# Altium PCB relay_matrix.PcbDoc (part 5 of 9)
Units mm, origin at the board's own origin, x right, y up, seen from the top; angles counter-clockwise.
Board outline 330 x 220 mm, 2 copper layers (Top Layer, Bottom Layer); 498 components, 345 nets, 2134 pads, 717 vias.
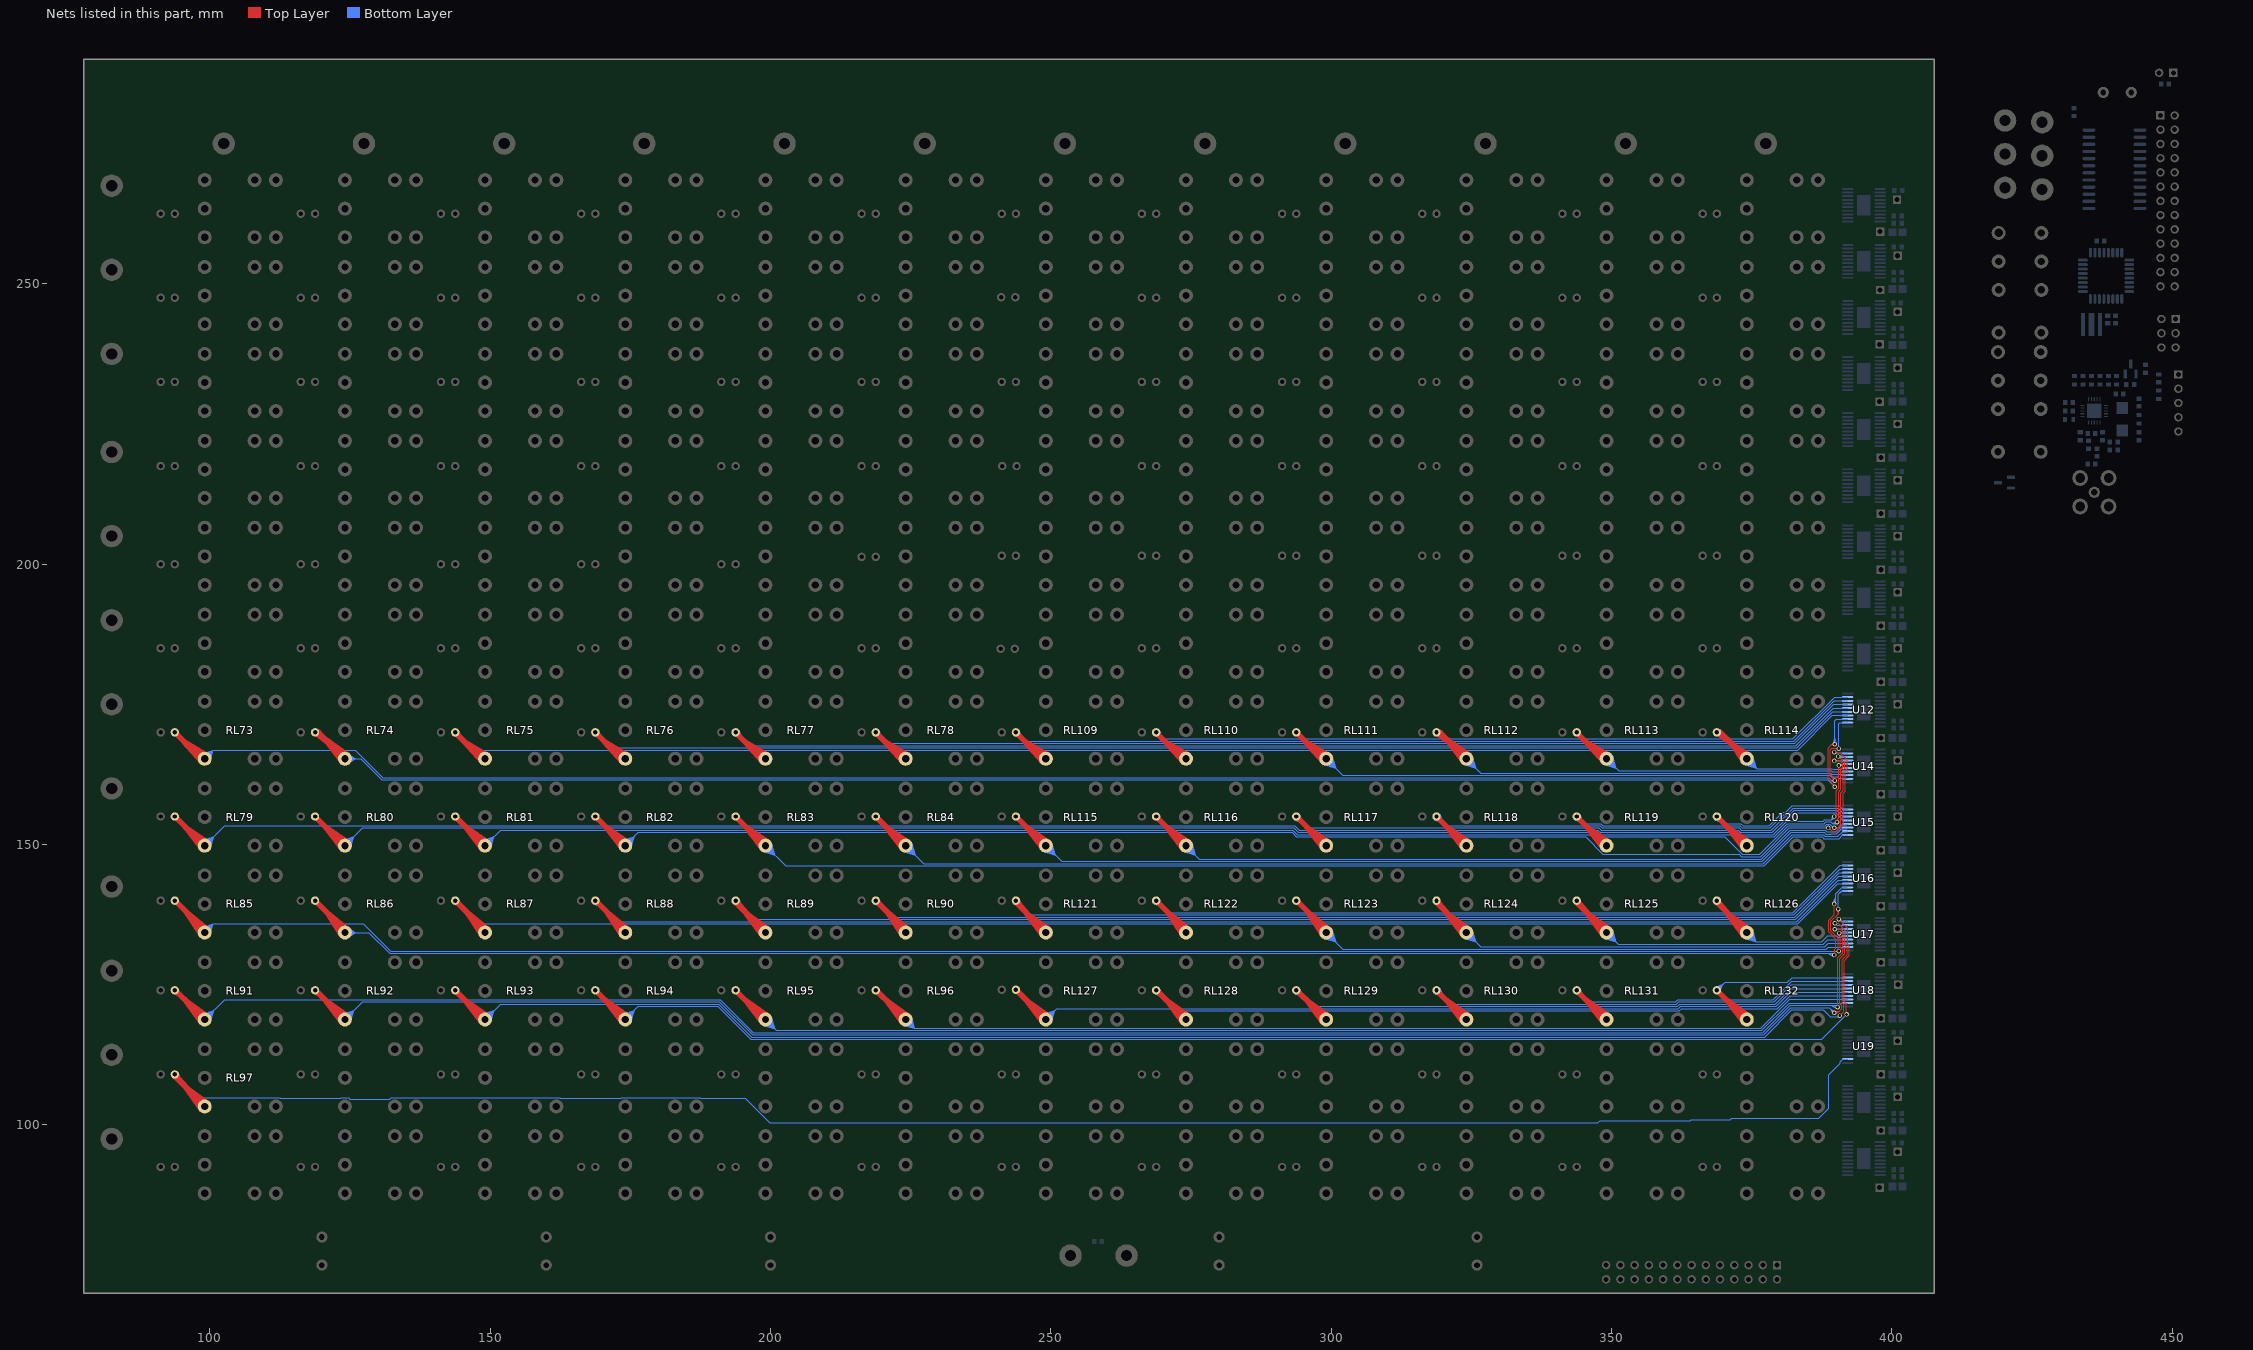
[diagram p5: the nets of this part, all layers, seen from the top]

## Via types
v1: diameter 0.8, hole 0.5, Top Layer to Bottom Layer, 477 vias
v2: diameter 0.8, hole 0.5, Top Layer to Bottom Layer, tented both sides, 122 vias
v3: diameter 0.6, hole 0.3, Top Layer to Bottom Layer, 112 vias
v4: diameter 7, hole 5, Top Layer to Bottom Layer, 6 vias

## Nets (pads, with @x,y where several pads share a name; then routed paths per layer and width w, separated by ;. In a path a pad name is that pad's centre, name@x,y a point inside that pad or via, vN(x,y) a via of type N, cw(c..) or ccw(c..) an arc to the next point about the centre after c; other vN are vias at no path point) (continued)
CONTROL_72: D73.2 RL73.3 U12.2 | length 360.5
  Top Layer w0.2: v1@389.531,161.265 389.158,162.342 ; v1@390.023,161.6 389.158,162.342 ; v1(390.5,167.113) 390.413,167.2 389.3,167.2 389,166.9 389,162.5 389.799,161.701 v1(389.799,161.4) 389.158,162.342
  Top Layer w1: D73.2@93.77,170 98.47,165.3 RL73.3@99.1,165.3 95.454,168.316 ; RL73.3@98.578,164.762 95.454,168.316 ; RL73.3@99.531,165.914 95.454,168.316
  Bottom Layer w0.2: RL73.3@98.529,166.298 100.65,166.85 ; RL73.3@98.59,166.101 100.65,166.85 ; RL73.3@98.668,165.913 100.65,166.85 ; RL73.3@98.763,165.735 100.65,166.85 ; RL73.3@98.873,165.566 100.65,166.85 ; RL73.3@98.998,165.41 100.65,166.85 ; RL73.3@99.1,165.3 100.65,166.85 ; RL73.3@99.21,165.198 100.65,166.85 ; RL73.3@99.366,165.073 100.65,166.85 ; RL73.3@99.535,164.963 100.65,166.85 ; RL73.3@99.713,164.868 100.65,166.85 ; RL73.3@99.901,164.79 100.65,166.85 ; RL73.3@100.098,164.729 100.65,166.85 ; v1@389.715,161.112 389.265,161.4 ; v1@389.715,161.688 389.265,161.4 ; v1(390.5,167.113) 390.5,171.5 390.725,171.725 ; U12.2@391.275,171.725 390.725,171.725 ; U12.2@392.1,171.725 390.725,171.725 ; 100.65,166.85 125.95,166.85 130.85,161.95 388.715,161.95 389.265,161.4 ; 389.265,161.4 v1(389.799,161.4) 389.265,161.4
CONTROL_73: D74.2 RL74.3 U12.3 | length 338
  Top Layer w0.2: v1(389.799,160.3) 389.799,160.41 388.6,161.609 388.6,167.2 389.3,167.9 ; 389.3,167.9 v1(389.799,167.9) ; 389.3,167.9 389.709,168.186 389.3,167.9 ; 389.3,167.9 389.709,167.614 389.3,167.9 ; 389.3,167.9 v1(389.799,167.9) ; 389.3,167.9 v1(389.799,167.9)
  Top Layer w1: 121.997,167.403 D74.2@118.77,170 119.4,170 RL74.3@124.1,165.3 120.729,168.671 ; RL74.3@123.53,164.813 120.729,168.671 ; RL74.3@124.587,165.87 120.729,168.671
  Bottom Layer w0.2: RL74.3@124.1,165.3 126.934,165.3 130.684,161.55 388.549,161.55 v1(389.799,160.3) ; RL74.3@124.106,165.15 125.95,165.3 ; RL74.3@124.106,165.45 125.95,165.3 ; RL74.3@124.133,164.952 125.95,165.3 ; RL74.3@124.133,165.648 125.95,165.3 ; RL74.3@124.182,164.756 125.95,165.3 ; RL74.3@124.182,165.844 125.95,165.3 ; RL74.3@124.252,164.566 125.95,165.3 ; RL74.3@124.252,166.034 125.95,165.3 ; RL74.3@124.344,164.382 125.95,165.3 ; RL74.3@124.344,166.218 125.95,165.3 ; RL74.3@124.457,164.207 125.95,165.3 ; RL74.3@124.457,166.393 125.95,165.3 ; v1@389.503,167.945 389.8,168.9 ; v1(389.799,167.9) 389.8,168.9 ; v1@389.8,167.9 389.8,172.1 390.075,172.375 U12.3@392.1,172.375 ; v1@390.096,167.944 389.8,168.9 ; 390.5,172.375 U12.3@391.275,172.375
CONTROL_74: D75.2 RL75.3 U12.4 | length 284.4
  Top Layer w1: D75.2@143.77,170 148.47,165.3 RL75.3@149.1,165.3 145.454,168.316 ; RL75.3@148.578,164.762 145.454,168.316 ; RL75.3@149.531,165.914 145.454,168.316
  Bottom Layer w0.2: D75.2@143.409,169.459 144.944,168.826 ; D75.2@143.498,169.642 144.944,168.826 ; D75.2@143.607,169.81 144.944,168.826 ; D75.2@143.77,170 146.92,166.85 383.17,166.85 389.345,173.025 U12.4@392.1,173.025 ; D75.2@143.96,170.163 144.944,168.826 ; D75.2@144.128,170.272 144.944,168.826 ; D75.2@144.311,170.361 144.944,168.826 ; 390.5,173.025 U12.4@391.275,173.025
CONTROL_75: D76.2 RL76.3 U12.5 | length 259.3
  Top Layer w1: D76.2@168.77,170 173.47,165.3 RL76.3@174.1,165.3 170.454,168.316 ; RL76.3@173.578,164.762 170.454,168.316 ; RL76.3@174.531,165.914 170.454,168.316
  Bottom Layer w0.2: D76.2@168.409,169.459 169.944,168.826 ; D76.2@168.498,169.642 169.944,168.826 ; D76.2@168.607,169.81 169.944,168.826 ; D76.2@168.77,170 171.52,167.25 383.005,167.25 389.43,173.675 U12.5@392.1,173.675 ; D76.2@168.96,170.163 169.944,168.826 ; D76.2@169.128,170.272 169.944,168.826 ; D76.2@169.311,170.361 169.944,168.826 ; 390.5,173.675 U12.5@391.275,173.675
CONTROL_76: D77.2 RL77.3 U12.6 | length 234.3
  Top Layer w1: D77.2@193.77,170 198.47,165.3 RL77.3@199.1,165.3 195.454,168.316 ; RL77.3@198.578,164.762 195.454,168.316 ; RL77.3@199.531,165.914 195.454,168.316
  Bottom Layer w0.2: D77.2@193.409,169.459 194.944,168.826 ; D77.2@193.498,169.642 194.944,168.826 ; D77.2@193.607,169.81 194.944,168.826 ; D77.2@193.77,170 196.12,167.65 382.839,167.65 389.514,174.325 U12.6@392.1,174.325 ; D77.2@193.96,170.163 194.944,168.826 ; D77.2@194.128,170.272 194.944,168.826 ; D77.2@194.311,170.361 194.944,168.826 ; 390.5,174.325 U12.6@391.275,174.325
CONTROL_77: D78.2 RL78.3 U12.7 | length 209.2
  Top Layer w1: D78.2@218.77,170 223.47,165.3 RL78.3@224.1,165.3 220.454,168.316 ; RL78.3@223.578,164.762 220.454,168.316 ; RL78.3@224.531,165.914 220.454,168.316
  Bottom Layer w0.2: D78.2@218.409,169.459 219.944,168.826 ; D78.2@218.498,169.642 219.944,168.826 ; D78.2@218.607,169.81 219.944,168.826 ; D78.2@218.77,170 220.72,168.05 382.673,168.05 389.598,174.975 U12.7@392.1,174.975 ; D78.2@218.96,170.163 219.944,168.826 ; D78.2@219.128,170.272 219.944,168.826 ; D78.2@219.311,170.361 219.944,168.826 ; 390.5,174.975 U12.7@391.275,174.975
CONTROL_78: D109.2 RL109.3 U12.8 | length 184.2
  Top Layer w1: D109.2@243.77,170 248.47,165.3 RL109.3@249.1,165.3 245.454,168.316 ; RL109.3@248.578,164.762 245.454,168.316 ; RL109.3@249.531,165.914 245.454,168.316
  Bottom Layer w0.2: D109.2@243.409,169.459 244.944,168.826 ; D109.2@243.498,169.642 244.944,168.826 ; D109.2@243.607,169.81 244.944,168.826 ; D109.2@243.77,170 245.32,168.45 382.508,168.45 389.683,175.625 U12.8@392.1,175.625 ; D109.2@243.96,170.163 244.944,168.826 ; D109.2@244.128,170.272 244.944,168.826 ; D109.2@244.311,170.361 244.944,168.826 ; 390.5,175.625 U12.8@391.275,175.625
CONTROL_79: D110.2 RL110.3 U12.9 | length 158.9
  Top Layer w1: D110.2@268.77,170 273.47,165.3 RL110.3@274.1,165.3 270.454,168.316 ; RL110.3@273.578,164.762 270.454,168.316 ; RL110.3@274.531,165.914 270.454,168.316
  Bottom Layer w0.2: D110.2@268.411,169.458 269.92,168.85 ; D110.2@268.499,169.641 269.92,168.85 ; D110.2@268.607,169.81 269.92,168.85 ; D110.2@268.77,170 269.92,168.85 ; D110.2@268.96,170.163 269.92,168.85 ; D110.2@269.129,170.271 269.92,168.85 ; D110.2@269.312,170.359 269.92,168.85 ; 390.5,176.275 U12.9@391.275,176.275 ; U12.9@392.1,176.275 389.767,176.275 382.342,168.85 269.92,168.85
CONTROL_80: D111.2 RL111.3 U14.2 | length 145.1
  Top Layer w1: D111.2@293.77,170 298.47,165.3 RL111.3@299.1,165.3 295.454,168.316 ; RL111.3@298.578,164.762 295.454,168.316 ; RL111.3@299.531,165.914 295.454,168.316
  Bottom Layer w0.2: RL111.3@298.509,164.314 300.774,163.626 ; RL111.3@298.577,164.507 300.774,163.626 ; RL111.3@298.66,164.692 300.774,163.626 ; RL111.3@298.759,164.869 300.774,163.626 ; RL111.3@298.871,165.035 300.774,163.626 ; RL111.3@298.997,165.191 300.774,163.626 ; RL111.3@299.1,165.3 302.05,162.35 388.88,162.35 389.131,162.1 390.25,162.1 390.5,161.85 ; RL111.3@299.209,165.403 300.774,163.626 ; RL111.3@299.365,165.529 300.774,163.626 ; RL111.3@299.531,165.641 300.774,163.626 ; RL111.3@299.708,165.74 300.774,163.626 ; RL111.3@299.893,165.823 300.774,163.626 ; RL111.3@300.086,165.891 300.774,163.626 ; U14.2@391.275,161.725 390.5,161.85 ; U14.2@392.1,161.725 391.975,161.85 390.5,161.85
CONTROL_81: D112.2 RL112.3 U14.3 | length 124.1
  Top Layer w1: 321.997,167.403 D112.2@318.77,170 319.4,170 RL112.3@324.1,165.3 320.729,168.671 ; RL112.3@323.53,164.813 320.729,168.671 ; RL112.3@324.587,165.87 320.729,168.671
  Bottom Layer w0.2: RL112.3@323.509,164.314 325.774,163.626 ; RL112.3@323.577,164.507 325.774,163.626 ; RL112.3@323.66,164.692 325.774,163.626 ; RL112.3@323.759,164.869 325.774,163.626 ; RL112.3@323.871,165.035 325.774,163.626 ; RL112.3@323.997,165.191 325.774,163.626 ; RL112.3@324.1,165.3 326.65,162.75 389.046,162.75 389.296,162.5 391.975,162.5 U14.3@392.1,162.375 ; RL112.3@324.209,165.403 325.774,163.626 ; RL112.3@324.365,165.529 325.774,163.626 ; RL112.3@324.531,165.641 325.774,163.626 ; RL112.3@324.708,165.74 325.774,163.626 ; RL112.3@324.893,165.823 325.774,163.626 ; RL112.3@325.086,165.891 325.774,163.626 ; 390.496,162.5 U14.3@391.275,162.375
CONTROL_82: D113.2 RL113.3 U14.4 | length 93.8
  Top Layer w1: D113.2@343.77,170 348.47,165.3 RL113.3@349.1,165.3 345.454,168.316 ; RL113.3@348.578,164.762 345.454,168.316 ; RL113.3@349.531,165.914 345.454,168.316
  Bottom Layer w0.2: RL113.3@348.509,164.314 350.774,163.626 ; RL113.3@348.577,164.507 350.774,163.626 ; RL113.3@348.66,164.692 350.774,163.626 ; RL113.3@348.759,164.869 350.774,163.626 ; RL113.3@348.871,165.035 350.774,163.626 ; RL113.3@348.997,165.191 350.774,163.626 ; RL113.3@349.1,165.3 351.25,163.15 389.212,163.15 389.362,163 392.075,163 U14.4@392.1,163.025 ; RL113.3@349.209,165.403 350.774,163.626 ; RL113.3@349.365,165.529 350.774,163.626 ; RL113.3@349.531,165.641 350.774,163.626 ; RL113.3@349.708,165.74 350.774,163.626 ; RL113.3@349.893,165.823 350.774,163.626 ; RL113.3@350.086,165.891 350.774,163.626
CONTROL_83: D114.2 RL114.3 U14.5 | length 68.9
  Top Layer w1: RL114.3@373.514,164.832 371.7,167.7 ; RL114.3@374.568,165.886 371.7,167.7 ; 371.7,167.7 RL114.3@374.1,165.3 371.7,167.7 ; 371.7,167.7 D114.2@368.77,170 369.4,170 371.7,167.7
  Bottom Layer w0.2: RL114.3@373.509,164.314 375.774,163.626 ; RL114.3@373.577,164.507 375.774,163.626 ; RL114.3@373.66,164.692 375.774,163.626 ; RL114.3@373.759,164.869 375.774,163.626 ; RL114.3@373.871,165.035 375.774,163.626 ; RL114.3@373.997,165.191 375.774,163.626 ; RL114.3@374.1,165.3 375.85,163.55 382.337,163.55 389.377,163.55 389.528,163.4 390.978,163.4 ; RL114.3@374.209,165.403 375.774,163.626 ; RL114.3@374.365,165.529 375.774,163.626 ; RL114.3@374.531,165.641 375.774,163.626 ; RL114.3@374.708,165.74 375.774,163.626 ; RL114.3@374.893,165.823 375.774,163.626 ; RL114.3@375.086,165.891 375.774,163.626 ; U14.5@391.275,163.675 390.978,163.4 ; U14.5@392.1,163.675 391.253,163.675 390.978,163.4
CONTROL_84: D79.2 RL79.3 U14.6 | length 365.8
  Top Layer w0.2: v1@389.551,155.26 390.1,155.4 ; v1(389.699,155) 390.1,155.4 ; v1@389.96,154.851 390.1,155.4 ; v1(390.499,164.1) 390.499,160.01 390.095,159.605 390.1,159.6 390.1,155.4
  Top Layer w1: D79.2@93.77,155 98.97,149.8 RL79.3@99.1,149.8 95.678,153.092 ; RL79.3@98.539,149.302 95.678,153.092 ; RL79.3@99.576,150.38 95.678,153.092
  Bottom Layer w0.2: RL79.3@98.509,150.786 100.774,151.474 ; RL79.3@98.577,150.593 100.774,151.474 ; RL79.3@98.66,150.408 100.774,151.474 ; RL79.3@98.759,150.231 100.774,151.474 ; RL79.3@98.871,150.065 100.774,151.474 ; RL79.3@98.997,149.909 100.774,151.474 ; RL79.3@99.1,149.8 102.65,153.35 293.497,153.35 294.297,152.55 347.561,152.55 347.961,152.15 372.395,152.15 372.795,151.75 378.798,151.75 381.198,154.15 387.729,154.15 388.029,154.45 389.25,154.45 ; RL79.3@99.209,149.697 100.774,151.474 ; RL79.3@99.365,149.571 100.774,151.474 ; RL79.3@99.531,149.459 100.774,151.474 ; RL79.3@99.708,149.36 100.774,151.474 ; RL79.3@99.893,149.277 100.774,151.474 ; RL79.3@100.086,149.209 100.774,151.474 ; v1@389.432,155.136 389.25,154.45 ; v1@389.886,154.765 389.25,154.45 ; v1@390.47,164.398 U14.6@391.275,164.325 ; v1@390.635,163.832 U14.6@391.275,164.325 ; U14.6@392.1,164.325 390.925,164.325 ; 389.25,154.45 v1(389.699,155) 389.699,154.899 389.25,154.45 ; v1@390.448,164.395 390.925,164.325 ; v1@390.448,164.395 390.925,164.325 ; v1@390.448,164.395 390.925,164.325 ; v1(390.499,164.1) 390.925,164.325 ; v1(390.499,164.1) 390.925,164.325 ; v1(390.499,164.1) U14.6@391.275,164.325 ; v1(390.499,164.1) 390.925,164.325 ; v1(390.499,164.1) 390.7,164.1 390.925,164.325 ; v1@390.715,163.891 390.925,164.325 ; v1@390.715,163.891 390.925,164.325 ; v1@390.715,163.891 390.925,164.325 ; 390.925,164.325 U14.6@391.275,164.325
CONTROL_85: D80.2 RL80.3 U14.7 | length 338.8
  Top Layer w0.2: v1(389.7,164.9) 389.8,165 390.589,165 391.199,164.39 391.199,163.81 390.899,163.51 390.899,159.844 390.5,159.445 390.5,154.811 390.2,154.511 ; v1@389.913,154.088 390.2,154.511 ; v1(390.2,154) 390.2,154.511 ; v1@390.487,154.088 390.2,154.511
  Top Layer w1: D80.2@118.77,155 123.97,149.8 RL80.3@124.1,149.8 120.678,153.092 ; RL80.3@123.539,149.302 120.678,153.092 ; RL80.3@124.576,150.38 120.678,153.092
  Bottom Layer w0.2: RL80.3@123.509,150.786 125.774,151.474 ; RL80.3@123.577,150.593 125.774,151.474 ; RL80.3@123.66,150.408 125.774,151.474 ; RL80.3@123.759,150.231 125.774,151.474 ; RL80.3@123.871,150.065 125.774,151.474 ; RL80.3@123.997,149.909 125.774,151.474 ; RL80.3@124.1,149.8 127.25,152.95 293.331,152.95 294.131,152.15 347.395,152.15 347.795,151.75 372.23,151.75 372.63,151.35 378.964,151.35 381.364,153.75 387.894,153.75 388.194,154.05 389.106,154.05 389.456,153.7 ; RL80.3@124.209,149.697 125.774,151.474 ; RL80.3@124.365,149.571 125.774,151.474 ; RL80.3@124.531,149.459 125.774,151.474 ; RL80.3@124.708,149.36 125.774,151.474 ; RL80.3@124.893,149.277 125.774,151.474 ; RL80.3@125.086,149.209 125.774,151.474 ; v1(389.7,164.9) 389.775,164.975 U14.7@392.1,164.975 ; v1@390.038,154.252 389.456,153.7 ; v1@390.258,153.706 389.456,153.7 ; 390.5,164.975 U14.7@391.275,164.975 ; 389.456,153.7 v1(390.2,154) 389.9,153.7 389.456,153.7
CONTROL_86: D81.2 RL81.3 U14.8 | length 321.3
  Top Layer w0.2: v1(389.699,153) 390.3,153 ; v1@389.774,152.709 390.3,153 ; v1@389.774,153.29 390.3,153 ; v1(390.4,165.7) 390.455,165.7 391.599,164.555 391.599,163.644 391.299,163.344 391.299,159.678 390.9,159.279 390.9,153.6 390.3,153
  Top Layer w1: D81.2@143.77,155 148.97,149.8 RL81.3@149.1,149.8 145.678,153.092 ; RL81.3@148.539,149.302 145.678,153.092 ; RL81.3@149.576,150.38 145.678,153.092
  Bottom Layer w0.2: RL81.3@148.509,150.786 150.774,151.474 ; RL81.3@148.577,150.593 150.774,151.474 ; RL81.3@148.66,150.408 150.774,151.474 ; RL81.3@148.759,150.231 150.774,151.474 ; RL81.3@148.871,150.065 150.774,151.474 ; RL81.3@148.997,149.909 150.774,151.474 ; RL81.3@149.1,149.8 151.85,152.55 293.166,152.55 293.966,151.75 347.23,151.75 347.63,151.35 370.216,151.35 373.316,148.25 376.43,148.25 381.53,153.35 388.06,153.35 388.36,153.65 388.94,153.65 389.29,153.3 ; RL81.3@149.209,149.697 150.774,151.474 ; RL81.3@149.365,149.571 150.774,151.474 ; RL81.3@149.531,149.459 150.774,151.474 ; RL81.3@149.708,149.36 150.774,151.474 ; RL81.3@149.893,149.277 150.774,151.474 ; RL81.3@150.086,149.209 150.774,151.474 ; v1@389.458,152.821 389.29,153.3 ; v1(389.699,153) 389.29,153.3 ; v1@389.7,153.3 389.29,153.3 ; v1@389.797,153.283 389.29,153.3 ; v1@390.422,165.401 U14.8@391.405,165.625 ; v1@390.426,165.401 U14.8@391.275,165.625 ; v1@390.467,165.993 U14.8@391.405,165.625 ; v1@390.476,165.99 U14.8@391.275,165.625 ; v1@390.5,165.625 U14.8@391.275,165.625 ; U14.8@392.1,165.625 390.475,165.625 v1(390.4,165.7) ; v1(390.4,165.7) U14.8@391.405,165.625 ; v1(390.4,165.7) U14.8@391.275,165.625
CONTROL_87: D82.2 RL82.3 U14.9 | length 291.1
  Top Layer w0.2: v1(388.65,152.95) 388.759,152.95 389.409,152.3 390.165,152.3 391.3,153.434 391.3,159.113 391.699,159.513 391.699,163.178 391.999,163.478 391.999,165.091 390.69,166.4 389.799,166.4 v1(389.7,166.499)
  Top Layer w1: D82.2@168.77,155 173.97,149.8 RL82.3@174.1,149.8 170.678,153.092 ; RL82.3@173.539,149.302 170.678,153.092 ; RL82.3@174.576,150.38 170.678,153.092
  Bottom Layer w0.2: RL82.3@173.509,150.786 175.774,151.474 ; RL82.3@173.577,150.593 175.774,151.474 ; RL82.3@173.66,150.408 175.774,151.474 ; RL82.3@173.759,150.231 175.774,151.474 ; RL82.3@173.871,150.065 175.774,151.474 ; RL82.3@173.997,149.909 175.774,151.474 ; RL82.3@174.1,149.8 176.45,152.15 293,152.15 293.8,151.35 345.358,151.35 348.458,148.25 372.75,148.25 373.15,147.85 376.595,147.85 381.695,152.95 v1(388.65,152.95) ; RL82.3@174.209,149.697 175.774,151.474 ; RL82.3@174.365,149.571 175.774,151.474 ; RL82.3@174.531,149.459 175.774,151.474 ; RL82.3@174.708,149.36 175.774,151.474 ; RL82.3@174.893,149.277 175.774,151.474 ; RL82.3@175.086,149.209 175.774,151.474 ; v1(389.7,166.499) 389.799,166.4 391.975,166.4 U14.9@392.1,166.275 ; 390.497,166.4 U14.9@391.275,166.275
CONTROL_88: D83.2 RL83.3 U15.2 | length 247.2
  Top Layer w1: D83.2@193.77,155 198.97,149.8 RL83.3@199.1,149.8 195.678,153.092 ; RL83.3@198.539,149.302 195.678,153.092 ; RL83.3@199.576,150.38 195.678,153.092
  Bottom Layer w0.2: RL83.3@198.509,148.814 200.774,148.126 ; RL83.3@198.577,149.007 200.774,148.126 ; RL83.3@198.66,149.192 200.774,148.126 ; RL83.3@198.759,149.369 200.774,148.126 ; RL83.3@198.871,149.535 200.774,148.126 ; RL83.3@198.997,149.691 200.774,148.126 ; RL83.3@199.1,149.8 202.7,146.2 377.208,146.2 382.358,151.35 387.563,151.35 387.863,151.05 390.578,151.05 391.253,151.725 U15.2@392.1,151.725 ; RL83.3@199.209,149.903 200.774,148.126 ; RL83.3@199.365,150.029 200.774,148.126 ; RL83.3@199.531,150.141 200.774,148.126 ; RL83.3@199.708,150.24 200.774,148.126 ; RL83.3@199.893,150.323 200.774,148.126 ; RL83.3@200.086,150.391 200.774,148.126
CONTROL_89: D84.2 RL84.3 U15.3 | length 222.1
  Top Layer w1: D84.2@218.77,155 223.97,149.8 RL84.3@224.1,149.8 220.678,153.092 ; RL84.3@223.539,149.302 220.678,153.092 ; RL84.3@224.576,150.38 220.678,153.092
  Bottom Layer w0.2: RL84.3@223.509,148.814 225.774,148.126 ; RL84.3@223.577,149.007 225.774,148.126 ; RL84.3@223.66,149.192 225.774,148.126 ; RL84.3@223.759,149.369 225.774,148.126 ; RL84.3@223.871,149.535 225.774,148.126 ; RL84.3@223.997,149.691 225.774,148.126 ; RL84.3@224.1,149.8 227.3,146.6 377.042,146.6 382.192,151.75 387.729,151.75 388.029,151.45 390.328,151.45 391.178,152.3 392.025,152.3 U15.3@392.1,152.375 ; RL84.3@224.209,149.903 225.774,148.126 ; RL84.3@224.365,150.029 225.774,148.126 ; RL84.3@224.531,150.141 225.774,148.126 ; RL84.3@224.708,150.24 225.774,148.126 ; RL84.3@224.893,150.323 225.774,148.126 ; RL84.3@225.086,150.391 225.774,148.126
CONTROL_90: D115.2 RL115.3 U15.4 | length 197.6
  Top Layer w1: D115.2@243.77,155 248.97,149.8 RL115.3@249.1,149.8 245.678,153.092 ; RL115.3@248.539,149.302 245.678,153.092 ; RL115.3@249.576,150.38 245.678,153.092
  Bottom Layer w0.2: RL115.3@248.509,148.814 250.774,148.126 ; RL115.3@248.577,149.007 250.774,148.126 ; RL115.3@248.66,149.192 250.774,148.126 ; RL115.3@248.759,149.369 250.774,148.126 ; RL115.3@248.871,149.535 250.774,148.126 ; RL115.3@248.997,149.691 250.774,148.126 ; RL115.3@249.1,149.8 251.9,147 376.877,147 382.027,152.15 387.894,152.15 388.194,151.85 389.106,151.85 389.155,151.9 390.155,151.9 390.8,152.545 390.8,152.572 391.078,152.85 ; RL115.3@249.209,149.903 250.774,148.126 ; RL115.3@249.365,150.029 250.774,148.126 ; RL115.3@249.531,150.141 250.774,148.126 ; RL115.3@249.708,150.24 250.774,148.126 ; RL115.3@249.893,150.323 250.774,148.126 ; RL115.3@250.086,150.391 250.774,148.126 ; U15.4@392.1,153.025 391.925,152.85 391.078,152.85 ; 391.078,152.85 391.275,153.025 391.078,152.85
CONTROL_91: D116.2 RL116.3 U15.5 | length 172.4
  Top Layer w1: D116.2@268.77,155 273.97,149.8 RL116.3@274.1,149.8 270.678,153.092 ; RL116.3@273.539,149.302 270.678,153.092 ; RL116.3@274.576,150.38 270.678,153.092
  Bottom Layer w0.2: RL116.3@273.509,148.814 275.774,148.126 ; RL116.3@273.577,149.007 275.774,148.126 ; RL116.3@273.66,149.192 275.774,148.126 ; RL116.3@273.759,149.369 275.774,148.126 ; RL116.3@273.871,149.535 275.774,148.126 ; RL116.3@273.997,149.691 275.774,148.126 ; RL116.3@274.1,149.8 276.5,147.4 376.711,147.4 381.861,152.55 388.06,152.55 388.36,152.25 388.94,152.25 388.99,152.3 389.989,152.3 390.4,152.711 390.4,152.737 390.791,153.129 390.791,153.302 390.989,153.5 ; RL116.3@274.209,149.903 275.774,148.126 ; RL116.3@274.365,150.029 275.774,148.126 ; RL116.3@274.531,150.141 275.774,148.126 ; RL116.3@274.708,150.24 275.774,148.126 ; RL116.3@274.893,150.323 275.774,148.126 ; RL116.3@275.086,150.391 275.774,148.126 ; U15.5@391.275,153.675 390.989,153.5 ; U15.5@392.1,153.675 391.925,153.5 390.989,153.5
CONTROL_92: D117.2 RL117.3 U15.6 | length 133.8
  Top Layer w1: D117.2@293.77,155 298.97,149.8 RL117.3@299.1,149.8 295.678,153.092 ; RL117.3@298.539,149.302 295.678,153.092 ; RL117.3@299.576,150.38 295.678,153.092
  Bottom Layer w0.2: D117.2@293.409,154.459 294.944,153.826 ; D117.2@293.498,154.642 294.944,153.826 ; D117.2@293.607,154.81 294.944,153.826 ; D117.2@293.77,155 295.82,152.95 347.727,152.95 348.127,152.55 372.561,152.55 372.961,152.15 378.633,152.15 381.032,154.55 381.553,154.55 382.703,155.7 389.989,155.7 390.4,155.289 390.4,155.178 391.078,154.5 ; D117.2@293.96,155.163 294.944,153.826 ; D117.2@294.128,155.272 294.944,153.826 ; D117.2@294.311,155.361 294.944,153.826 ; U15.6@392.1,154.325 391.925,154.5 391.078,154.5 ; 391.078,154.5 391.275,154.325 391.078,154.5
CONTROL_93: D118.2 RL118.3 U15.7 | length 108
  Top Layer w1: D118.2@318.77,155 323.97,149.8 RL118.3@324.1,149.8 320.678,153.092 ; RL118.3@323.539,149.302 320.678,153.092 ; RL118.3@324.576,150.38 320.678,153.092
  Bottom Layer w0.2: D118.2@318.409,154.459 319.944,153.826 ; D118.2@318.498,154.642 319.944,153.826 ; D118.2@318.607,154.81 319.944,153.826 ; D118.2@318.77,155 320.42,153.35 347.892,153.35 348.292,152.95 372.727,152.95 373.127,152.55 378.467,152.55 380.867,154.95 381.387,154.95 382.537,156.1 390.155,156.1 390.8,155.455 390.8,155.428 391.253,154.975 U15.7@392.1,154.975 ; D118.2@318.96,155.163 319.944,153.826 ; D118.2@319.128,155.272 319.944,153.826 ; D118.2@319.311,155.361 319.944,153.826
CONTROL_94: D119.2 RL119.3 U15.8 | length 82.7
  Top Layer w1: D119.2@343.77,155 348.97,149.8 RL119.3@349.1,149.8 345.678,153.092 ; RL119.3@348.539,149.302 345.678,153.092 ; RL119.3@349.576,150.38 345.678,153.092
  Bottom Layer w0.2: D119.2@343.409,154.459 344.944,153.826 ; D119.2@343.498,154.642 344.944,153.826 ; D119.2@343.607,154.81 344.944,153.826 ; D119.2@343.77,155 345.02,153.75 348.058,153.75 348.458,153.35 372.892,153.35 373.292,152.95 378.301,152.95 380.701,155.35 381.222,155.35 382.371,156.5 390.379,156.5 391.253,155.625 U15.8@392.1,155.625 ; D119.2@343.96,155.163 344.944,153.826 ; D119.2@344.128,155.272 344.944,153.826 ; D119.2@344.311,155.361 344.944,153.826
CONTROL_95: D120.2 RL120.3 U15.9 | length 58.4
  Top Layer w1: D120.2@368.77,155 373.97,149.8 RL120.3@374.1,149.8 370.678,153.092 ; RL120.3@373.539,149.302 370.678,153.092 ; RL120.3@374.576,150.38 370.678,153.092
  Bottom Layer w0.2: D120.2@368.409,154.459 369.944,153.826 ; D120.2@368.498,154.642 369.944,153.826 ; D120.2@368.607,154.81 369.944,153.826 ; D120.2@368.77,155 370.02,153.75 373.058,153.75 373.458,153.35 378.135,153.35 380.535,155.75 381.05,155.75 382.2,156.9 390.587,156.9 ; D120.2@368.96,155.163 369.944,153.826 ; D120.2@369.128,155.272 369.944,153.826 ; D120.2@369.311,155.361 369.944,153.826 ; U15.9@391.275,156.275 390.587,156.9 ; U15.9@392.1,156.275 392.075,156.3 391.187,156.3 390.587,156.9
CONTROL_96: D85.2 RL85.3 U16.2 | length 358.7
  Top Layer w0.2: v1@390.104,138.451 390.4,137.59 ; v1(390.4,138.5) 390.4,137.59 ; v1(390.499,131) 390.4,131.099 390.4,133.309 389.099,134.61 389.099,136.29 390.4,137.59 ; v1@390.696,138.451 390.4,137.59
  Top Layer w1: D85.2@93.77,140 99.1,134.67 RL85.3@99.1,134.3 95.944,137.826 ; RL85.3@98.503,133.846 95.944,137.826 ; RL85.3@99.617,134.843 95.944,137.826
  Bottom Layer w0.2: RL85.3@98.529,135.298 100.65,135.85 ; RL85.3@98.59,135.101 100.65,135.85 ; RL85.3@98.668,134.913 100.65,135.85 ; RL85.3@98.763,134.735 100.65,135.85 ; RL85.3@98.873,134.566 100.65,135.85 ; RL85.3@98.998,134.41 100.65,135.85 ; RL85.3@99.1,134.3 100.65,135.85 ; RL85.3@99.21,134.198 100.65,135.85 ; RL85.3@99.366,134.073 100.65,135.85 ; RL85.3@99.535,133.963 100.65,135.85 ; RL85.3@99.713,133.868 100.65,135.85 ; RL85.3@99.901,133.79 100.65,135.85 ; RL85.3@100.098,133.729 100.65,135.85 ; v1(390.4,138.5) 390.4,141.1 391.025,141.725 ; v1(390.499,131) 388.487,131 388.456,130.969 132.231,130.969 127.35,135.85 100.65,135.85 ; 390.633,141.333 U16.2@391.275,141.725 ; U16.2@392.1,141.725 391.025,141.725 ; 391.025,141.725 U16.2@391.275,141.725 ; 391.025,141.725 U16.2@391.275,141.725
CONTROL_97: D86.2 RL86.3 U16.3 | length 333.4
  Top Layer w0.2: v1(389.699,130.3) 389.8,130.401 v1@389.8,130.554 ; v1(389.7,139.4) 389.7,137.456 388.699,136.455 388.699,134.444 390,133.143 390,131.49 389.799,131.29 v1@389.799,130.555
  Top Layer w1: D86.2@118.77,140 124.1,134.67 RL86.3@124.1,134.3 120.944,137.826 ; RL86.3@123.503,133.846 120.944,137.826 ; RL86.3@124.617,134.843 120.944,137.826
  Bottom Layer w0.2: RL86.3@124.1,134.3 128.334,134.3 132.065,130.569 389.43,130.569 v1(389.699,130.3) 388.531,130.569 ; RL86.3@124.106,134.15 125.95,134.3 ; RL86.3@124.106,134.45 125.95,134.3 ; RL86.3@124.133,133.952 125.95,134.3 ; RL86.3@124.133,134.648 125.95,134.3 ; RL86.3@124.182,133.756 125.95,134.3 ; RL86.3@124.182,134.844 125.95,134.3 ; RL86.3@124.252,133.566 125.95,134.3 ; RL86.3@124.252,135.034 125.95,134.3 ; RL86.3@124.344,133.382 125.95,134.3 ; RL86.3@124.344,135.218 125.95,134.3 ; RL86.3@124.457,133.207 125.95,134.3 ; RL86.3@124.457,135.393 125.95,134.3 ; v1@389.421,139.511 390,140.556 ; v1@389.596,130.018 388.531,130.569 ; v1@389.73,130.598 388.531,130.569 ; v1@389.998,139.362 390,140.556 ; U16.3@392,142.375 391.109,142.375 390,141.266 390,139.7 v1(389.7,139.4) 390,140.556
CONTROL_98: D87.2 RL87.3 U16.4 | length 285.9
  Top Layer w1: D87.2@143.77,140 149.1,134.67 RL87.3@149.1,134.3 145.944,137.826 ; RL87.3@148.503,133.846 145.944,137.826 ; RL87.3@149.617,134.843 145.944,137.826
  Bottom Layer w0.2: D87.2@143.409,139.459 144.944,138.826 ; D87.2@143.498,139.642 144.944,138.826 ; D87.2@143.607,139.81 144.944,138.826 ; D87.2@143.77,140 147.92,135.85 383.17,135.85 390.345,143.025 U16.4@392.1,143.025 ; D87.2@143.96,140.163 144.944,138.826 ; D87.2@144.128,140.272 144.944,138.826 ; D87.2@144.311,140.361 144.944,138.826 ; 390.5,143.025 U16.4@391.275,143.025
CONTROL_99: D88.2 RL88.3 U16.5 | length 260.8
  Top Layer w1: D88.2@168.77,140 174.1,134.67 RL88.3@174.1,134.3 170.944,137.826 ; RL88.3@173.503,133.846 170.944,137.826 ; RL88.3@174.617,134.843 170.944,137.826
  Bottom Layer w0.2: D88.2@168.409,139.459 169.944,138.826 ; D88.2@168.498,139.642 169.944,138.826 ; D88.2@168.607,139.81 169.944,138.826 ; D88.2@168.77,140 172.52,136.25 383.005,136.25 390.43,143.675 U16.5@392.1,143.675 ; D88.2@168.96,140.163 169.944,138.826 ; D88.2@169.128,140.272 169.944,138.826 ; D88.2@169.311,140.361 169.944,138.826 ; 390.5,143.675 U16.5@391.275,143.675
CONTROL_100: D89.2 RL89.3 U16.6 | length 239.9
  Top Layer w1: 196.455,136.945 D89.2@193.77,140 193.77,139.63 RL89.3@199.1,134.3 195.729,137.671 ; RL89.3@198.53,133.813 195.729,137.671 ; RL89.3@199.587,134.87 195.729,137.671
  Bottom Layer w0.2: D89.2@193.409,139.459 194.944,138.826 ; D89.2@193.498,139.642 194.944,138.826 ; D89.2@193.607,139.81 194.944,138.826 ; D89.2@193.77,140 197.12,136.65 382.839,136.65 390.514,144.325 ; D89.2@193.96,140.163 194.944,138.826 ; D89.2@194.128,140.272 194.944,138.826 ; D89.2@194.311,140.361 194.944,138.826 ; U16.6@391.275,144.325 390.514,144.325 ; U16.6@392.1,144.325 390.514,144.325
CONTROL_101: D90.2 RL90.3 U16.7 | length 210.6
  Top Layer w1: D90.2@218.77,140 224.1,134.67 RL90.3@224.1,134.3 220.944,137.826 ; RL90.3@223.503,133.846 220.944,137.826 ; RL90.3@224.617,134.843 220.944,137.826
  Bottom Layer w0.2: D90.2@218.409,139.459 219.944,138.826 ; D90.2@218.498,139.642 219.944,138.826 ; D90.2@218.607,139.81 219.944,138.826 ; D90.2@218.77,140 221.72,137.05 382.673,137.05 390.598,144.975 ; D90.2@218.96,140.163 219.944,138.826 ; D90.2@219.128,140.272 219.944,138.826 ; D90.2@219.311,140.361 219.944,138.826 ; U16.7@391.275,144.975 390.598,144.975 ; U16.7@392.1,144.975 390.598,144.975
CONTROL_102: D121.2 RL121.3 U16.8 | length 189.6
  Top Layer w1: 246.455,136.945 D121.2@243.77,140 243.77,139.63 RL121.3@249.1,134.3 245.729,137.671 ; RL121.3@248.53,133.813 245.729,137.671 ; RL121.3@249.587,134.87 245.729,137.671
  Bottom Layer w0.2: D121.2@243.409,139.459 244.944,138.826 ; D121.2@243.498,139.642 244.944,138.826 ; D121.2@243.607,139.81 244.944,138.826 ; D121.2@243.77,140 246.32,137.45 382.508,137.45 390.683,145.625 ; D121.2@243.96,140.163 244.944,138.826 ; D121.2@244.128,140.272 244.944,138.826 ; D121.2@244.311,140.361 244.944,138.826 ; U16.8@391.275,145.625 390.683,145.625 ; U16.8@392.1,145.625 390.683,145.625
CONTROL_103: D122.2 RL122.3 U16.9 | length 160.3
  Top Layer w1: D122.2@268.77,140 274.1,134.67 RL122.3@274.1,134.3 270.944,137.826 ; RL122.3@273.503,133.846 270.944,137.826 ; RL122.3@274.617,134.843 270.944,137.826
  Bottom Layer w0.2: D122.2@268.409,139.459 269.944,138.826 ; D122.2@268.498,139.642 269.944,138.826 ; D122.2@268.607,139.81 269.944,138.826 ; D122.2@268.77,140 270.92,137.85 382.342,137.85 390.767,146.275 ; D122.2@268.96,140.163 269.944,138.826 ; D122.2@269.128,140.272 269.944,138.826 ; D122.2@269.311,140.361 269.944,138.826 ; U16.9@391.275,146.275 390.767,146.275 ; U16.9@392.1,146.275 390.767,146.275
CONTROL_104: D123.2 RL123.3 U17.2 | length 145.7
  Top Layer w1: D123.2@293.77,140 299.1,134.67 RL123.3@299.1,134.3 295.944,137.826 ; RL123.3@298.503,133.846 295.944,137.826 ; RL123.3@299.617,134.843 295.944,137.826
  Bottom Layer w0.2: RL123.3@298.509,133.314 300.774,132.626 ; RL123.3@298.577,133.507 300.774,132.626 ; RL123.3@298.66,133.692 300.774,132.626 ; RL123.3@298.759,133.869 300.774,132.626 ; RL123.3@298.871,134.035 300.774,132.626 ; RL123.3@298.997,134.191 300.774,132.626 ; RL123.3@299.1,134.3 302.031,131.369 388.291,131.369 388.646,131.725 U17.2@392.1,131.725 ; RL123.3@299.209,134.403 300.774,132.626 ; RL123.3@299.365,134.529 300.774,132.626 ; RL123.3@299.531,134.641 300.774,132.626 ; RL123.3@299.708,134.74 300.774,132.626 ; RL123.3@299.893,134.823 300.774,132.626 ; RL123.3@300.086,134.891 300.774,132.626 ; 390.5,131.725 U17.2@391.275,131.725
CONTROL_105: D124.2 RL124.3 U17.3 | length 124.8
  Top Layer w1: 321.455,136.945 D124.2@318.77,140 318.77,139.63 RL124.3@324.1,134.3 320.729,137.671 ; RL124.3@323.53,133.813 320.729,137.671 ; RL124.3@324.587,134.87 320.729,137.671
  Bottom Layer w0.2: RL124.3@323.509,133.314 325.774,132.626 ; RL124.3@323.577,133.507 325.774,132.626 ; RL124.3@323.66,133.692 325.774,132.626 ; RL124.3@323.759,133.869 325.774,132.626 ; RL124.3@323.871,134.035 325.774,132.626 ; RL124.3@323.997,134.191 325.774,132.626 ; RL124.3@324.1,134.3 326.631,131.769 387.983,131.769 388.589,132.375 U17.3@392.1,132.375 ; RL124.3@324.209,134.403 325.774,132.626 ; RL124.3@324.365,134.529 325.774,132.626 ; RL124.3@324.531,134.641 325.774,132.626 ; RL124.3@324.708,134.74 325.774,132.626 ; RL124.3@324.893,134.823 325.774,132.626 ; RL124.3@325.086,134.891 325.774,132.626 ; 390.5,132.375 U17.3@391.275,132.375
CONTROL_106: D125.2 RL125.3 U17.4 | length 99.7
  Top Layer w1: 346.455,136.945 D125.2@343.77,140 343.77,139.63 RL125.3@349.1,134.3 345.729,137.671 ; RL125.3@348.53,133.813 345.729,137.671 ; RL125.3@349.587,134.87 345.729,137.671
  Bottom Layer w0.2: RL125.3@348.509,133.314 350.774,132.626 ; RL125.3@348.577,133.507 350.774,132.626 ; RL125.3@348.66,133.692 350.774,132.626 ; RL125.3@348.759,133.869 350.774,132.626 ; RL125.3@348.871,134.035 350.774,132.626 ; RL125.3@348.997,134.191 350.774,132.626 ; RL125.3@349.1,134.3 351.2,132.2 387.707,132.2 388.532,133.025 U17.4@392.1,133.025 ; RL125.3@349.209,134.403 350.774,132.626 ; RL125.3@349.365,134.529 350.774,132.626 ; RL125.3@349.531,134.641 350.774,132.626 ; RL125.3@349.708,134.74 350.774,132.626 ; RL125.3@349.893,134.823 350.774,132.626 ; RL125.3@350.086,134.891 350.774,132.626 ; 390.5,133.025 U17.4@391.275,133.025
CONTROL_107: D126.2 RL126.3 U17.5 | length 73.5
  Top Layer w1: 371.455,136.945 D126.2@368.77,140 368.77,139.63 RL126.3@374.1,134.3 370.729,137.671 ; RL126.3@373.53,133.813 370.729,137.671 ; RL126.3@374.587,134.87 370.729,137.671
  Bottom Layer w0.2: RL126.3@373.52,133.307 375.7,132.7 ; RL126.3@373.584,133.502 375.7,132.7 ; RL126.3@373.665,133.689 375.7,132.7 ; RL126.3@373.761,133.867 375.7,132.7 ; RL126.3@373.872,134.034 375.7,132.7 ; RL126.3@373.997,134.19 375.7,132.7 ; RL126.3@374.1,134.3 375.7,132.7 ; RL126.3@374.21,134.403 375.7,132.7 ; RL126.3@374.366,134.528 375.7,132.7 ; RL126.3@374.533,134.639 375.7,132.7 ; RL126.3@374.711,134.735 375.7,132.7 ; RL126.3@374.898,134.816 375.7,132.7 ; RL126.3@375.093,134.88 375.7,132.7 ; U17.5@392.1,133.675 392.075,133.7 391.089,133.7 ; 375.7,132.7 387.5,132.7 388.5,133.7 390.109,133.7 390.309,133.5 390.889,133.5 ; 390.889,133.5 U17.5@391.275,133.675 ; 390.889,133.5 391.089,133.7 ; 391.089,133.7 U17.5@391.275,133.675 ; 391.089,133.7 U17.5@391.275,133.675
CONTROL_108: D91.2 RL91.3 U17.6 | length 373.1
  Top Layer w0.2: v1(390.299,121) 390.299,129.81 391.199,130.71 391.199,131.29 390.8,131.689 390.8,133.475 390.599,133.675 ; v1@390.312,134.114 390.599,133.675 ; v1@390.887,134.114 390.599,133.675 ; 390.599,133.675 v1(390.599,134.2) 390.599,133.675
  Top Layer w1: 96.699,121.201 D91.2@93.77,124 93.9,124 RL91.3@99.1,118.8 95.729,122.171 ; RL91.3@98.53,118.313 95.729,122.171 ; RL91.3@99.587,119.37 95.729,122.171
  Bottom Layer w0.2: RL91.3@98.509,119.786 100.774,120.474 ; RL91.3@98.577,119.593 100.774,120.474 ; RL91.3@98.66,119.408 100.774,120.474 ; RL91.3@98.759,119.231 100.774,120.474 ; RL91.3@98.871,119.065 100.774,120.474 ; RL91.3@98.997,118.909 100.774,120.474 ; RL91.3@99.1,118.8 102.65,122.35 191.066,122.35 196.966,116.45 376.947,116.45 381.822,121.325 389.975,121.325 v1(390.299,121) ; RL91.3@99.209,118.697 100.774,120.474 ; RL91.3@99.365,118.571 100.774,120.474 ; RL91.3@99.531,118.459 100.774,120.474 ; RL91.3@99.708,118.36 100.774,120.474 ; RL91.3@99.893,118.277 100.774,120.474 ; RL91.3@100.086,118.209 100.774,120.474 ; v1@390.19,120.72 389.056,121.325 ; v1(390.299,121) 389.056,121.325 ; v1@390.341,121.297 389.056,121.325 ; v1@390.525,134.325 390.599,134.251 v1(390.599,134.2) ; U17.6@391.275,134.325 390.599,134.325 U17.6@392.1,134.325
CONTROL_109: D92.2 RL92.3 U17.7 | length 355.9
  Top Layer w0.2: v1@389.65,120.296 390.589,120.3 ; v1(389.799,134.9) 390.889,134.9 391.299,134.49 391.299,133.499 391.2,133.4 391.2,131.855 391.599,131.455 391.599,130.544 390.699,129.644 390.699,121.589 390.999,121.29 390.999,120.71 390.589,120.3 ; v1@389.839,119.734 390.589,120.3 ; 390.589,120.3 v1(389.699,120) 389.999,120.3 390.589,120.3
  Top Layer w1: 121.699,121.201 D92.2@118.77,124 118.9,124 RL92.3@124.1,118.8 120.729,122.171 ; RL92.3@123.53,118.313 120.729,122.171 ; RL92.3@124.587,119.37 120.729,122.171
  Bottom Layer w0.2: RL92.3@123.509,119.786 125.774,120.474 ; RL92.3@123.577,119.593 125.774,120.474 ; RL92.3@123.66,119.408 125.774,120.474 ; RL92.3@123.759,119.231 125.774,120.474 ; RL92.3@123.871,119.065 125.774,120.474 ; RL92.3@123.997,118.909 125.774,120.474 ; RL92.3@124.1,118.8 127.25,121.95 190.9,121.95 196.8,116.05 377.113,116.05 381.988,120.925 388.775,120.925 v1(389.699,120) 388.875,120.824 ; RL92.3@124.209,118.697 125.774,120.474 ; RL92.3@124.365,118.571 125.774,120.474 ; RL92.3@124.531,118.459 125.774,120.474 ; RL92.3@124.708,118.36 125.774,120.474 ; RL92.3@124.893,118.277 125.774,120.474 ; RL92.3@125.086,118.209 125.774,120.474 ; v1@389.461,119.817 388.875,120.824 ; v1@389.882,120.237 388.875,120.824 ; 390.5,135.025 U17.7@391.275,134.975 ; U17.7@392.1,134.975 392.05,135.025 390.235,135.025 ; v1(389.799,134.9) 390.235,135.025 ; v1(389.799,134.9) 390.235,135.025 ; v1(389.799,134.9) 389.874,134.975 390.185,134.975 390.235,135.025 ; 390.235,135.025 389.973,134.655 390.235,135.025 ; 390.235,135.025 389.816,135.199 390.235,135.025
CONTROL_110: D93.2 RL93.3 U17.8 | length 319.7
  Top Layer w0.2: v1(389.81,135.975) 390.38,135.975 391.699,134.655 391.699,133.333 391.6,133.234 391.6,132.02 391.999,131.621 391.999,130.378 391.099,129.479 391.099,121.755 391.399,121.455 391.399,120.2 v1(390.699,119.5)
  Top Layer w1: D93.2@143.77,124 148.97,118.8 RL93.3@149.1,118.8 145.678,122.092 ; RL93.3@148.539,118.302 145.678,122.092 ; RL93.3@149.576,119.38 145.678,122.092
  Bottom Layer w0.2: RL93.3@148.509,119.786 150.774,120.474 ; RL93.3@148.577,119.593 150.774,120.474 ; RL93.3@148.66,119.408 150.774,120.474 ; RL93.3@148.759,119.231 150.774,120.474 ; RL93.3@148.871,119.065 150.774,120.474 ; RL93.3@148.997,118.909 150.774,120.474 ; RL93.3@149.1,118.8 151.85,121.55 190.734,121.55 196.634,115.65 377.278,115.65 382.153,120.525 387.774,120.525 388.999,119.3 390.4,119.3 390.6,119.5 v1(390.699,119.5) ; RL93.3@149.209,118.697 150.774,120.474 ; RL93.3@149.365,118.571 150.774,120.474 ; RL93.3@149.531,118.459 150.774,120.474 ; RL93.3@149.708,118.36 150.774,120.474 ; RL93.3@149.893,118.277 150.774,120.474 ; RL93.3@150.086,118.209 150.774,120.474 ; v1(389.81,135.975) 390.16,135.625 U17.8@392.1,135.625 ; 390.5,135.625 U17.8@391.275,135.625
CONTROL_111: D94.2 RL94.3 U17.9 | length 295.5
  Top Layer w0.2: v1(390.499,136.7) 392.099,135.1 392.099,132.087 392.399,131.787 392.399,130.213 391.499,129.313 391.499,121.921 391.799,121.621 391.799,119.8 v1(391.899,119.7)
  Top Layer w1: D94.2@168.77,124 173.97,118.8 RL94.3@174.1,118.8 170.678,122.092 ; RL94.3@173.539,118.302 170.678,122.092 ; RL94.3@174.576,119.38 170.678,122.092
  Bottom Layer w0.2: RL94.3@173.509,119.786 175.774,120.474 ; RL94.3@173.577,119.593 175.774,120.474 ; RL94.3@173.66,119.408 175.774,120.474 ; RL94.3@173.759,119.231 175.774,120.474 ; RL94.3@173.871,119.065 175.774,120.474 ; RL94.3@173.997,118.909 175.774,120.474 ; RL94.3@174.1,118.8 176.45,121.15 190.569,121.15 196.469,115.25 387.45,115.25 v1(391.899,119.7) ; RL94.3@174.209,118.697 175.774,120.474 ; RL94.3@174.365,118.571 175.774,120.474 ; RL94.3@174.531,118.459 175.774,120.474 ; RL94.3@174.708,118.36 175.774,120.474 ; RL94.3@174.893,118.277 175.774,120.474 ; RL94.3@175.086,118.209 175.774,120.474 ; v1@390.347,136.441 390.925,136.275 ; v1(390.499,136.7) 390.925,136.275 ; v1(390.499,136.7) 390.925,136.275 ; v1@390.757,136.853 390.925,136.275 ; U17.9@391.275,136.275 390.925,136.275 ; U17.9@392.1,136.275 390.925,136.275
CONTROL_112: D95.2 RL95.3 U18.2 | length 246.7
  Top Layer w1: D95.2@193.77,124 198.97,118.8 RL95.3@199.1,118.8 195.678,122.092 ; RL95.3@198.539,118.302 195.678,122.092 ; RL95.3@199.576,119.38 195.678,122.092
  Bottom Layer w0.2: RL95.3@198.509,117.814 200.774,117.126 ; RL95.3@198.577,118.007 200.774,117.126 ; RL95.3@198.66,118.192 200.774,117.126 ; RL95.3@198.759,118.369 200.774,117.126 ; RL95.3@198.871,118.535 200.774,117.126 ; RL95.3@198.997,118.691 200.774,117.126 ; RL95.3@199.1,118.8 201.05,116.85 376.781,116.85 381.656,121.725 U18.2@392.1,121.725 ; RL95.3@199.209,118.903 200.774,117.126 ; RL95.3@199.365,119.029 200.774,117.126 ; RL95.3@199.531,119.141 200.774,117.126 ; RL95.3@199.708,119.24 200.774,117.126 ; RL95.3@199.893,119.323 200.774,117.126 ; RL95.3@200.086,119.391 200.774,117.126 ; 390.5,121.725 U18.2@391.275,121.725
CONTROL_113: D96.2 RL96.3 U18.3 | length 223.7
  Top Layer w1: 221.699,121.201 D96.2@218.77,124 218.9,124 RL96.3@224.1,118.8 220.729,122.171 ; RL96.3@223.53,118.313 220.729,122.171 ; RL96.3@224.587,119.37 220.729,122.171
  Bottom Layer w0.2: RL96.3@223.529,117.802 225.65,117.25 ; RL96.3@223.59,117.999 225.65,117.25 ; RL96.3@223.668,118.187 225.65,117.25 ; RL96.3@223.763,118.365 225.65,117.25 ; RL96.3@223.873,118.534 225.65,117.25 ; RL96.3@223.998,118.69 225.65,117.25 ; RL96.3@224.1,118.8 225.65,117.25 ; RL96.3@224.21,118.902 225.65,117.25 ; RL96.3@224.366,119.027 225.65,117.25 ; RL96.3@224.535,119.137 225.65,117.25 ; RL96.3@224.713,119.232 225.65,117.25 ; RL96.3@224.901,119.31 225.65,117.25 ; RL96.3@225.098,119.371 225.65,117.25 ; 390.5,122.375 U18.3@391.275,122.375 ; U18.3@392.1,122.375 381.741,122.375 376.616,117.25 225.65,117.25
CONTROL_114: D127.2 RL127.3 U18.4 | length 196.1
  Top Layer w1: D127.2@243.77,124.1 249.07,118.8 RL127.3@249.1,118.8 245.717,122.153 ; RL127.3@248.532,118.311 245.717,122.153 ; RL127.3@249.584,119.373 245.717,122.153
  Bottom Layer w0.2: RL127.3@248.509,119.786 250.774,120.474 ; RL127.3@248.577,119.593 250.774,120.474 ; RL127.3@248.66,119.408 250.774,120.474 ; RL127.3@248.759,119.231 250.774,120.474 ; RL127.3@248.871,119.065 250.774,120.474 ; RL127.3@248.997,118.909 250.774,120.474 ; RL127.3@249.1,118.8 251.05,120.75 271.454,120.75 271.854,120.35 362.066,120.35 362.466,120.75 372.795,120.75 379.55,120.75 381.825,123.025 U18.4@392.1,123.025 ; RL127.3@249.209,118.697 250.774,120.474 ; RL127.3@249.365,118.571 250.774,120.474 ; RL127.3@249.531,118.459 250.774,120.474 ; RL127.3@249.708,118.36 250.774,120.474 ; RL127.3@249.893,118.277 250.774,120.474 ; RL127.3@250.086,118.209 250.774,120.474 ; 390.5,123.025 U18.4@391.275,123.025
CONTROL_115: D128.2 RL128.3 U18.5 | length 162.5
  Top Layer w1: 271.699,121.201 D128.2@268.77,124 268.9,124 RL128.3@274.1,118.8 270.729,122.171 ; RL128.3@273.53,118.313 270.729,122.171 ; RL128.3@274.587,119.37 270.729,122.171
  Bottom Layer w0.2: D128.2@268.409,123.459 269.944,122.826 ; D128.2@268.498,123.642 269.944,122.826 ; D128.2@268.607,123.81 269.944,122.826 ; D128.2@268.77,124 272.02,120.75 361.9,120.75 362.3,121.15 372.961,121.15 375.239,121.15 379.35,121.15 381.875,123.675 U18.5@392.1,123.675 ; D128.2@268.96,124.163 269.944,122.826 ; D128.2@269.128,124.272 269.944,122.826 ; D128.2@269.311,124.361 269.944,122.826 ; 390.5,123.675 U18.5@391.275,123.675
CONTROL_116: D129.2 RL129.3 U18.6 | length 137.4
  Top Layer w1: 296.699,121.201 D129.2@293.77,124 293.9,124 RL129.3@299.1,118.8 295.729,122.171 ; RL129.3@298.53,118.313 295.729,122.171 ; RL129.3@299.587,119.37 295.729,122.171
  Bottom Layer w0.2: D129.2@293.409,123.459 294.944,122.826 ; D129.2@293.498,123.642 294.944,122.826 ; D129.2@293.607,123.81 294.944,122.826 ; D129.2@293.77,124 296.62,121.15 361.734,121.15 362.134,121.55 373.127,121.55 375.073,121.55 379.184,121.55 381.959,124.325 U18.6@392.1,124.325 ; D129.2@293.96,124.163 294.944,122.826 ; D129.2@294.128,124.272 294.944,122.826 ; D129.2@294.311,124.361 294.944,122.826 ; 390.5,124.325 U18.6@391.275,124.325
CONTROL_117: D130.2 RL130.3 U18.7 | length 108.2
  Top Layer w1: D130.2@318.77,124 323.97,118.8 RL130.3@324.1,118.8 320.678,122.092 ; RL130.3@323.539,118.302 320.678,122.092 ; RL130.3@324.576,119.38 320.678,122.092
  Bottom Layer w0.2: D130.2@318.409,123.459 319.944,122.826 ; D130.2@318.498,123.642 319.944,122.826 ; D130.2@318.607,123.81 319.944,122.826 ; D130.2@318.77,124 321.22,121.55 361.569,121.55 361.969,121.95 373.292,121.95 374.908,121.95 379.019,121.95 382.044,124.975 U18.7@392.1,124.975 ; D130.2@318.96,124.163 319.944,122.826 ; D130.2@319.128,124.272 319.944,122.826 ; D130.2@319.311,124.361 319.944,122.826 ; 390.5,124.975 U18.7@391.275,124.975
CONTROL_118: D131.2 RL131.3 U18.8 | length 83.2
  Top Layer w1: D131.2@343.77,124 348.97,118.8 RL131.3@349.1,118.8 345.678,122.092 ; RL131.3@348.539,118.302 345.678,122.092 ; RL131.3@349.576,119.38 345.678,122.092
  Bottom Layer w0.2: D131.2@343.409,123.459 344.944,122.826 ; D131.2@343.498,123.642 344.944,122.826 ; D131.2@343.607,123.81 344.944,122.826 ; D131.2@343.77,124 345.82,121.95 361.403,121.95 361.803,122.35 373.458,122.35 374.742,122.35 378.853,122.35 382.128,125.625 U18.8@392.1,125.625 ; D131.2@343.96,124.163 344.944,122.826 ; D131.2@344.128,124.272 344.944,122.826 ; D131.2@344.311,124.361 344.944,122.826 ; 390.5,125.625 U18.8@391.275,125.625
CONTROL_119: D132.2 RL132.3 U18.9 | length 56.7
  Top Layer w1: D132.2@368.77,124 373.97,118.8 RL132.3@374.1,118.8 370.678,122.092 ; RL132.3@373.539,118.302 370.678,122.092 ; RL132.3@374.576,119.38 370.678,122.092
  Bottom Layer w0.2: D132.2@368.409,124.541 369.944,125.174 ; D132.2@368.498,124.358 369.944,125.174 ; D132.2@368.607,124.19 369.944,125.174 ; D132.2@368.77,124 370.22,125.45 381.359,125.45 382.184,126.275 U18.9@392.1,126.275 ; D132.2@368.96,123.837 369.944,125.174 ; D132.2@369.128,123.728 369.944,125.174 ; D132.2@369.311,123.639 369.944,125.174 ; 390.5,126.275 U18.9@391.275,126.275
CONTROL_120: D97.2 RL97.3 U19.2 | length 346.9
  Top Layer w1: 96.455,105.945 D97.2@93.77,109 93.77,108.63 RL97.3@99.1,103.3 95.729,106.671 ; RL97.3@98.53,102.813 95.729,106.671 ; RL97.3@99.587,103.87 95.729,106.671
  Bottom Layer w0.2: D97.2@93.409,108.459 94.944,107.826 ; D97.2@93.498,108.642 94.944,107.826 ; D97.2@93.607,108.81 94.944,107.826 ; D97.2@93.77,109 97.92,104.85 112.442,104.85 112.542,104.75 123.358,104.75 123.458,104.85 124.742,104.85 124.992,104.6 132.108,104.6 132.358,104.85 162.442,104.85 162.542,104.75 173.358,104.75 173.458,104.85 187.442,104.85 187.542,104.75 195.458,104.75 199.858,100.35 347.561,100.35 347.961,100.75 364.031,100.75 364.196,100.914 371.173,100.914 371.409,101.15 386.9,101.15 388.7,102.95 388.7,108.915 390.8,111.015 390.8,111.272 391.253,111.725 U19.2@392.1,111.725 ; D97.2@93.96,109.163 94.944,107.826 ; D97.2@94.128,109.272 94.944,107.826 ; D97.2@94.311,109.361 94.944,107.826